# Altium PCB NORA-B1-EVK.PcbDoc (part 2 of 6) (continued)
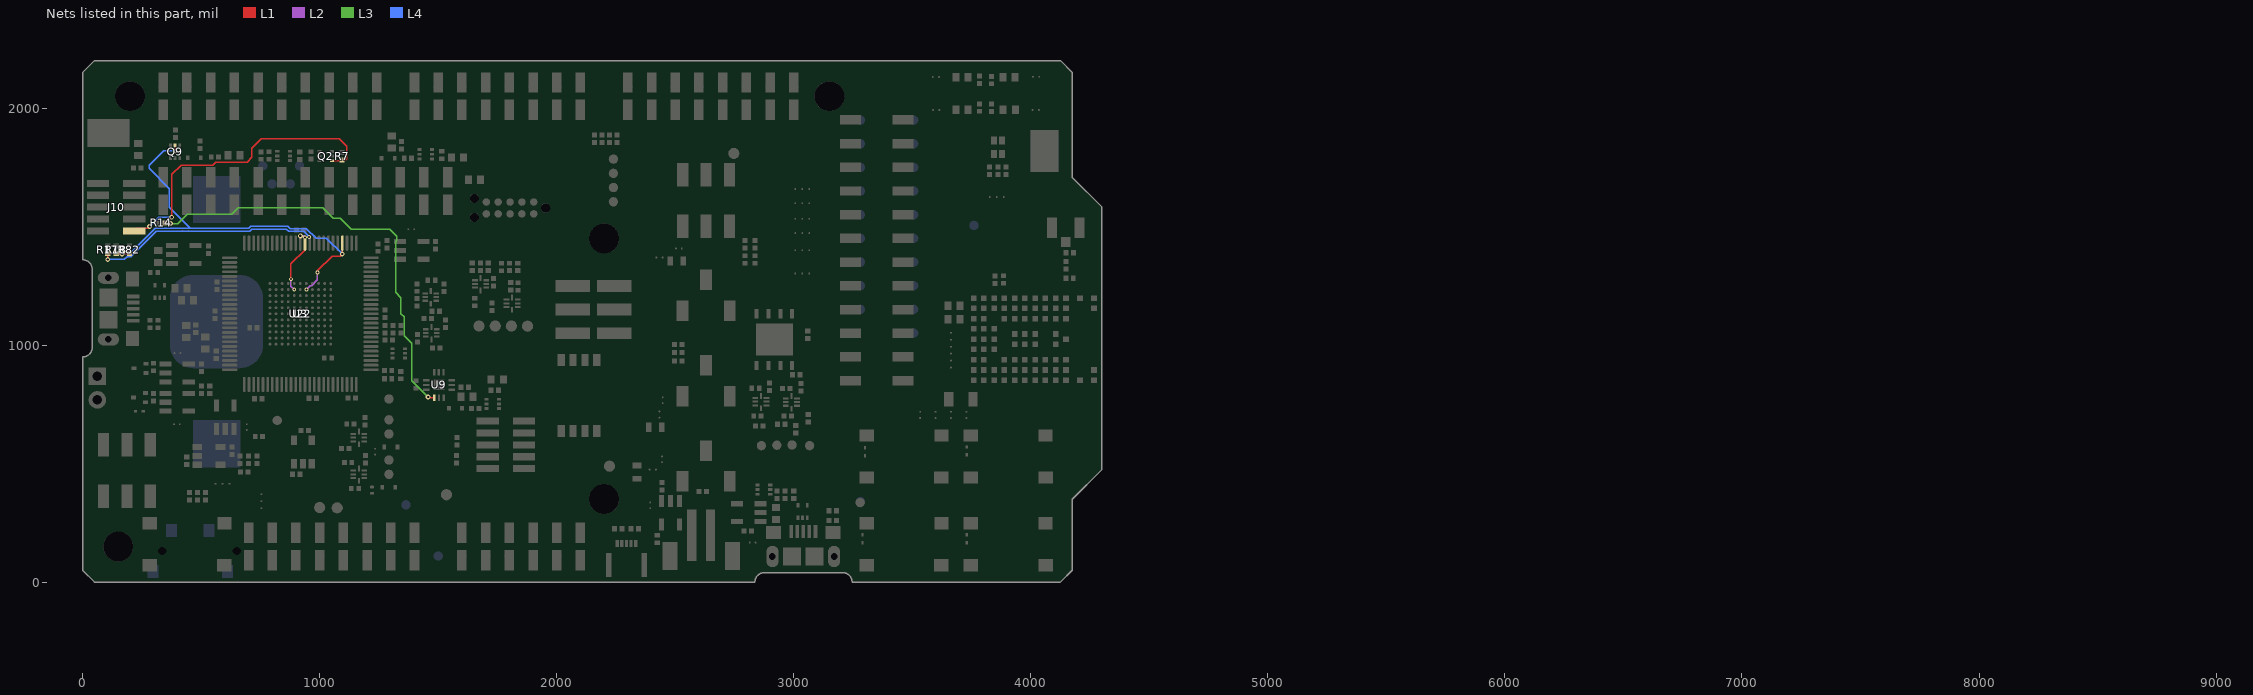
[diagram p4: the nets of this part, all layers, seen from the top]
## Part data (continued)
J17: "1-ROW TH-PCB SOCKETS 100MIL GRID 2-PIN 0.64MM SQUARE POLARIZE", Manufacturer=HARWiN, Manufacturer P/N=M20-9990245, Editor=roland.rust, Env=ROHS, Mfg P/N Released=Yes, Mfg P/N Split=100, Mfg P/N Status=Active, Part Number=UBXH04-0000026, Part Type=Connector, Perferred=PREF, Permitted Use="Internal Use", RefDes=J, Release Data=2015-06-04T16:45:09, Released by=alvaro.nussbaum, UBX Wiki=https://wiki.u-blox.com/bin/view/Operations/PartDetails?index=10937
J26: "CONN 1-ROW SMT 2.0MM GRID 2-PIN VERT 100V 2A", Manufacturer=JST, Manufacturer 2=None, Manufacturer P/N=B2B-PH-SM4-TB, Max Current=2A, Max Operating Temp=85°C, Max Voltage=100V, Min Operating Temp=-30°C, Part Name="Conn, SMT, 0.079\" Pitch, 2 Pin, Vert, Black", Diameter=None, Editor=eric.moog, Env=ROHS, Height=6.5mm, Item Phase="In Production", Manufacturer Part Number 1=B2B-PH-SM4-TB, Manufacturer Part Number 2=None, Mfg P/N Datasheet=https://wiki.u-blox.com/bin/view/Generic/Docs/DocumentSummary?index=35463, Mfg P/N Released=No, Mfg P/N Split=100, Mfg P/N Status=Active, Part Number=UBXH04-0000791, Part Type=Connector, Perferred=N/A, Permitted Use="Support Products", Pins=2, RefDes=J, Revision=0A, Supplier 1=None, Supplier 2=None, Supplier Part Number 1=None, Supplier Part Number 2=None, UBX Code=None, UBX Wiki=https://wiki.u-blox.com/bin/view/Operations/PartDetails?index=38567, Use in new designs=Yes, Voltage=None
J28: "6 -PIN RECEPTACLE BOTTOM OR TOP ENTRY VERT 2.54MM 50V 2.5A", Manufacturer="Amphenol Corporation", Manufacturer P/N=91601-306GLF, Max Current=2.5A, Max Operating Temp=150°C, Max Voltage=50V, Min Operating Temp=-65°C, Editor=eric.moog, Env=ROHS, Mfg P/N Datasheet=https://wiki.u-blox.com/bin/view/Generic/Docs/DocumentSummary?index=38560, Mfg P/N Released=No, Mfg P/N Split=100, Mfg P/N Status=Active, Part Number=UBXH04-0000790, Part Type=Connector, Perferred=N/A, Permitted Use="Support Products", RefDes=J, UBX Wiki=https://wiki.u-blox.com/bin/view/Operations/PartDetails?index=38565
J30: "CONN NON ZIF FPC MOLEX 51281 0.5MM PITCH 5-PIN TOP AND BOTTOM 50V 500mA", Color=White, Manufacturer=molex, Manufacturer 1="KYOCERA AVX", Manufacturer P/N=0512810598, Manufacturer Part Number 1=046284005001846, Max Current=500mA, Max Operating Temp=85°C, Max Voltage=50V, Min Operating Temp=-30°C, Part Name="CON FFC/FPC 0.50mm 5Pos R/A", Component Mounting Type=SMT, Connector Type=FPC, Editor=eric.moog, Env=ROHS, Height=1.3mm, Item_Phase=Preliminary, Keyed=No, Length=4.05mm, Locking=No, Mfg P/N Datasheet=https://wiki.u-blox.com/bin/view/Generic/Docs/DocumentSummary?index=38892, Mfg P/N Released=No, Mfg P/N Split=100, Mfg P/N Status=Active, Part Number=UBXH04-0000800, Part Type=Connector, Part_Type=Connector, Perferred=PREF, Permitted Use="Support Products", Pin Pitch=0.5mm, Pins=5, RefDes=J, Rows=1, UBX Wiki=https://wiki.u-blox.com/bin/view/Operations/PartDetails?index=38893, Use in new designs=Yes, Voltage=50V, Width=4.4mm
JBAT JBD2 JBSB JDB1 JDSB JEXT JHV JLP JMOD JSHD JVDD JVIN: "SOLDERBRIDGE-OPEN", Max Operating Temp=155°C, Min Operating Temp=-55°C, Editor=aneeb.sohail, Env=GREEN, Part Number=UBXH00-0000082, Part Type=Connector, Perferred=PREF, Permitted Use="Volume Products", RefDes=J, UBX Wiki=https://wiki.u-blox.com/bin/view/Operations/PartDetails?index=36361
JMODHT1 JMODT1 TP3 TP4 TP6 TP7 TP16 TP17 TP18 TP20 TP21 TP22 TP23 TP24 TP27 TP32 TP33 TP60 TP61 TP62 TP63 TP64 TP65 TP77 TP86 TPCLK1 TPDIO1 TPRST1 TPSWO1: library part UBXH00-0000096, "TESTPOINT 1MM CIRCULAR", Max Operating Temp=125°C, Min Operating Temp=-55°C, Editor=eric.moog, Env=N/A, Part Number=UBXH00-0000096, Part Type=Testpoint, Perferred=PREF, Permitted Use="Volume Products", RefDes=TP, UBX Wiki=https://wiki.u-blox.com/bin/view/Operations/PartDetails?index=38784
JV-USB1 TP28 TP30 TP31 TP34 TP35 TP36 TP37 TP38 TP39 TP40 TP41 TP42 TP43 TP44 TP45 TP46 TP47 TP48 TP49 TP50 TP51 TP52 TP53 TP54 TP55 TP56 TP57 TP66 TP67 TP68 TP69 TP70 TP71 TP72 TP73 TP74 TP75 TP76 TP78 TP79 TP80 TP81 TP82 TP83 TP84 TP85: library part UBXH00-0000096, "TESTPOINT 1MM CIRCULAR NO SILKSCREEN", Max Operating Temp=125°C, Min Operating Temp=-55°C, Editor=eric.moog, Env=N/A, Part Number=UBXH00-0000096, Part Type=Testpoint, Perferred=PREF, Permitted Use="Volume Products", RefDes=TP, UBX Wiki=https://wiki.u-blox.com/bin/view/Operations/PartDetails?index=38784
LED3 LED4 LED5 LED6 LED7: "LED SMD 0603 GREEN 2.5V 20mA", Color=GRN, Manufacturer=Kingbright, Manufacturer 2="Lite-on Technology Corporation", Manufacturer P/N=APT1608SGC, Manufacturer P/N 2=LTST-C190KGKT, Max Current=20mA, Max Voltage=2.5V, Editor=gianni.falleroni, Env=ROHS, Mfg P/N Datasheet=https://wiki.u-blox.com/bin/view/Generic/Docs/DocumentSummary?index=37527, Mfg P/N Datasheet 2=https://wiki.u-blox.com/bin/view/Generic/Docs/DocumentSummary?index=16220, Mfg P/N Released=Yes, Mfg P/N Released 2=Yes, Mfg P/N Split=50, Mfg P/N Split 2=50, Mfg P/N Status=Active, Mfg P/N Status 2=Active, Part Number=UBXH11-0000001, Part Type=LED, Perferred=N/A, Permitted Use="Support Products", RefDes=DS, Release Data=2022-09-27T14:26:54, Released by=alex.claville, Size=0603, UBX Wiki=https://wiki.u-blox.com/bin/view/Operations/PartDetails?index=7902
Q1 Q2 Q3 Q6 Q7 Q8 Q9: "SMALL SIGNAL COMPLEMENTARY W/ ESD PROTECTION MOSFET SOT-563-6 PACKAGE", Manufacturer="ON Semiconductor", Manufacturer P/N=NTZD3155CT1G, Max Operating Temp=155°C, Min Operating Temp=-55°C, Editor=pierpaolo.arban, Env=ROHS, Mfg P/N Datasheet=https://wiki.u-blox.com/bin/view/Generic/Docs/DocumentSummary?index=9037, Mfg P/N Released=Yes, Mfg P/N Split=100, Mfg P/N Status=Active, Part Number=UBXH20-0000084, Part Type=Transistor, Perferred=PREF, Permitted Use="Support Products", RefDes=Q, Release Data=2023-01-26T11:59:16, Released by=matej.budin, UBX Wiki=https://wiki.u-blox.com/bin/view/Operations/PartDetails?index=37717
Q4 Q5: "P-CHANNEL MOSFET DIODES SOT-523 DMG1013T-7 20V 460mA", Max Current=460mA, Max Operating Temp=155°C, Max Voltage=20V, Min Operating Temp=-55°C, Editor=eric.moog, Env=ROHS, Part Number=UBXH20-0000087, Part Type=Transistor, Perferred=PREF, Permitted Use="Volume Products", RefDes=Q, UBX Wiki=https://wiki.u-blox.com/bin/view/Operations/PartDetails?index=38920
R1 R2 R3 R4 R9 R13 R14 R17 R18 R36: library part UBXH18-0000269, "RES THICK FILM CHIP 0402 499R 1% 100mW", Manufacturer=KOA, Manufacturer P/N=RK73H1ETTP4990F, Max Operating Temp=125°C, Max Power=100mW, Min Operating Temp=-55°C, Tolerance=1%, Editor=pierpaolo.arban, Env=ROHS, Mfg P/N Datasheet=https://wiki.u-blox.com/bin/view/Generic/Docs/DocumentSummary?index=8222, Mfg P/N Released=No, Mfg P/N Split=100, Mfg P/N Status=Active, Part Number=UBXH18-0000269, Part Type=Resistor, Perferred=PREF, Permitted Use="Volume Products", RefDes=R, Size=0402, UBX Wiki=https://wiki.u-blox.com/bin/view/Operations/PartDetails?index=25384
R5 R6 R7 R8 R33 R34 R35 R37 R38 R42 R43 R44 R45 R49 R50 R51 R53 R55 R56 R58 R59 R60 R61 R62: library part UBXH18-0000065, "RES THICK FILM CHIP 0402 10K 1% 63mW", Manufacturer=KOA, Manufacturer P/N=RK73H1ETTP1002F, Max Power=63mW, Tolerance=1%, Editor=erian.bezhani, Env=ROHS, Mfg P/N Datasheet=https://wiki.u-blox.com/bin/view/Generic/Docs/DocumentSummary?index=8222, Mfg P/N Released=Yes, Mfg P/N Split=100, Mfg P/N Status=Active, Part Number=UBXH18-0000065, Part Type=Resistor, Perferred=PREF, Permitted Use="Volume Products", RefDes=R, Release Data=2012-06-08T18:02:21, Released by=massimo.vlacci, Size=0402, UBX Wiki=https://wiki.u-blox.com/bin/view/Operations/PartDetails?index=16837
R10: library part UBXH18-0007056, "RES THICK FILM CHIP 0603 200R 5% 100mW", Max Power=100mW, Tolerance=5%, Editor=andreas.thiel, Env=ROHS, Part Number=UBXH18-0007056, Part Type=Resistor, Perferred=NONPREF, Permitted Use="Volume Products", RefDes=R, Size=0603, UBX Wiki=https://wiki.u-blox.com/bin/view/Operations/PartDetails?index=6682
R11 R12 R64 R65 R67 R68 R70 R71: library part UBXH18-0008033, "RES THICK FILM CHIP 0402 220R 5% 100mW", Manufacturer=ROHM, Manufacturer 2=KOA, Manufacturer 3=YAGEO, Manufacturer P/N=MCR01MZPJ221, Manufacturer P/N 2=RK73B1ETTP221J, Manufacturer P/N 3=2322_705_87221_L, Max Power=100mW, Tolerance=5%, Editor=roland.rust, Env=ROHS, Mfg P/N Released=Yes, Mfg P/N Released 2=Yes, Mfg P/N Released 3=Yes, Mfg P/N Split=100, Mfg P/N Split 2=0, Mfg P/N Split 3=0, Mfg P/N Status=Active, Mfg P/N Status 2=Active, Mfg P/N Status 3=NRND, Part Number=UBXH18-0008033, Part Type=Resistor, Perferred=PREF, Permitted Use="Volume Products", RefDes=R, Release Data=2009-04-24T14:36:39, Released by=roland.rust, Size=0402, UBX Wiki=https://wiki.u-blox.com/bin/view/Operations/PartDetails?index=6914
R15 R16 R22 R23 R46 R48: library part UBXH18-0003002, "RES THICK FILM CHIP 0402 0R 0 100mW", Manufacturer=KOA, Manufacturer 2=YAGEO, Manufacturer P/N=RK73Z1ETTD, Manufacturer P/N 2=2322_705_91001_L, Max Power=100mW, Tolerance=0, Editor=charlotte.biber, Env=ROHS, Mfg P/N Released=Yes, Mfg P/N Released 2=Yes, Mfg P/N Split=100, Mfg P/N Split 2=0, Mfg P/N Status=NRND, Mfg P/N Status 2=NRND, Part Number=UBXH18-0003002, Part Type=Resistor, Perferred=PREF, Permitted Use="Volume Products", RefDes=R, Release Data=2012-06-05T09:49:55, Released by=peter.mueller, Size=0402, UBX Wiki=https://wiki.u-blox.com/bin/view/Operations/PartDetails?index=6611
R19 R30 R40 R47 R81 R82: library part UBXH18-0008121, "RES THICK FILM CHIP 0402 1M0 5% 63mW", Manufacturer=KOA, Manufacturer P/N=RK73B1ETTP105J, Max Operating Temp=125°C, Max Power=63mW, Min Operating Temp=-55°C, Tolerance=5%, Editor=daniel.hurni, Env=ROHS, Mfg P/N Datasheet=https://wiki.u-blox.com/bin/view/Generic/Docs/DocumentSummary?index=4543, Mfg P/N Released=Yes, Mfg P/N Split=100, Mfg P/N Status=Active, Part Number=UBXH18-0008121, Part Type=Resistor, Perferred=PREF, Permitted Use="Volume Products", RefDes=R, Release Data=2009-12-01T17:35:03, Released by=doris.zahnd, Size=0402, UBX Wiki=https://wiki.u-blox.com/bin/view/Operations/PartDetails?index=7052
R20 R21 R25 R29 R31 R32 R63 R66 R69 R72 R73 R74 R75 R76 R77 R78 R79 R80 R83 R84 R85 R86: library part UBXH18-0000005, "RES THICK FILM CHIP 0402 100K 1% 63mW", Manufacturer=KOA, Manufacturer 2=ROHM, Manufacturer P/N=RK73H1ETTP1003F, Manufacturer P/N 2=MCR01MZPF1003, Max Power=63mW, Tolerance=1%, Editor=dario.antonaz, Env=ROHS, Mfg P/N Datasheet=https://wiki.u-blox.com/bin/view/Generic/Docs/DocumentSummary?index=8222, Mfg P/N Datasheet 2=https://wiki.u-blox.com/bin/view/Generic/Docs/DocumentSummary?index=8186, Mfg P/N Released=Yes, Mfg P/N Released 2=Yes, Mfg P/N Split=100, Mfg P/N Split 2=0, Mfg P/N Status=Active, Mfg P/N Status 2=Active, Part Number=UBXH18-0000005, Part Type=Resistor, Perferred=N/A, Permitted Use="Volume Products", RefDes=R, Release Data=2009-11-30T11:05:22, Released by=sandro.sestan, Size=0402, UBX Wiki=https://wiki.u-blox.com/bin/view/Operations/PartDetails?index=8114
R24 R28: library part UBXH18-0007035, "RES THICK FILM CHIP 0603 27R 5% 100mW", Manufacturer=YAGEO, Manufacturer P/N=RC0603JR-0727RL, Max Power=100mW, Tolerance=5%, Editor=martin.frauchiger, Env=ROHS, Mfg P/N Released=Yes, Mfg P/N Split=100, Mfg P/N Status=Active, Part Number=UBXH18-0007035, Part Type=Resistor, Perferred=PREF, Permitted Use="Volume Products", RefDes=R, Release Data=2005-07-14T10:55:51, Released by=martin.frauchiger, Size=0603, UBX Wiki=https://wiki.u-blox.com/bin/view/Operations/PartDetails?index=6657
R26 R27: library part UBXH18-0008011, "RES THICK FILM CHIP 0402 27R 5% 100mW", Manufacturer=KOA, Manufacturer 2=YAGEO, Manufacturer P/N=RK73B1ETTD270J, Manufacturer P/N 2=2322_705_70279_L, Max Power=100mW, Tolerance=5%, Editor=roland.rust, Env=ROHS, Mfg P/N Released=Yes, Mfg P/N Released 2=Yes, Mfg P/N Split=100, Mfg P/N Split 2=0, Mfg P/N Status=NRND, Mfg P/N Status 2=Obsolete, Part Number=UBXH18-0008011, Part Type=Resistor, Perferred=PREF, Permitted Use="Volume Products", RefDes=R, Release Data=2005-07-22T13:59:44, Released by=roland.rust, Size=0402, UBX Wiki=https://wiki.u-blox.com/bin/view/Operations/PartDetails?index=6883
R39: library part UBXH18-0000213, "RES THICK FILM CHIP 0402 4K7 1% 63mW", Manufacturer=KOA, Manufacturer P/N=RK73H1ETTP4701F, Max Power=63mW, Tolerance=1%, Automotive=Yes, Editor=michael.hein, Env=ROHS, Mfg P/N Datasheet=https://wiki.u-blox.com/bin/view/Generic/Docs/DocumentSummary?index=8222, Mfg P/N Released=Yes, Mfg P/N Split=100, Mfg P/N Status=Active, Part Number=UBXH18-0000213, Part Type=Resistor, Perferred=PREF, Permitted Use="Volume Products", RefDes=R, Release Data=2015-10-02T11:47:33, Released by=vasyl.dykyy, Size=0402, UBX Wiki=https://wiki.u-blox.com/bin/view/Operations/PartDetails?index=23300
R41: library part UBXH18-0008113, "RES THICK FILM CHIP 0402 470K 5% 100mW", Manufacturer=KOA, Manufacturer 2=YAGEO, Manufacturer P/N=RK73B1ETTD474J, Manufacturer P/N 2=2322_705_87474_L, Max Power=100mW, Tolerance=5%, Editor=martin.frauchiger, Env=ROHS, Mfg P/N Released=Yes, Mfg P/N Released 2=Yes, Mfg P/N Split=100, Mfg P/N Split 2=0, Mfg P/N Status=NRND, Mfg P/N Status 2=Obsolete, Part Number=UBXH18-0008113, Part Type=Resistor, Perferred=PREF, Permitted Use="Volume Products", RefDes=R, Release Data=2005-08-19T10:42:45, Released by=martin.frauchiger, Size=0402, UBX Wiki=https://wiki.u-blox.com/bin/view/Operations/PartDetails?index=7042
R52: library part UBXH18-0008049, "RES THICK FILM CHIP 0402 1K0 5% 100mW", Manufacturer=YAGEO, Manufacturer 2=KOA, Manufacturer P/N=2322_705_70102_L, Manufacturer P/N 2=RK73B1ETTD102J, Max Power=100mW, Tolerance=5%, Editor=roland.rust, Env=ROHS, Mfg P/N Released=Yes, Mfg P/N Released 2=Yes, Mfg P/N Split=100, Mfg P/N Split 2=0, Mfg P/N Status=Obsolete, Mfg P/N Status 2=NRND, Part Number=UBXH18-0008049, Part Type=Resistor, Perferred=PREF, Permitted Use="Volume Products", RefDes=R, Release Data=2005-07-22T13:59:44, Released by=roland.rust, Size=0402, UBX Wiki=https://wiki.u-blox.com/bin/view/Operations/PartDetails?index=6939
R54: library part UBXH18-0000568, "RES THICK FILM CHIP 0402 8K87 8K87 1% 63mW", Manufacturer=KOA, Manufacturer P/N=RK73H1ETTP8871F, Max Operating Temp=155°C, Max Power=63mW, Min Operating Temp=-55°C, Tolerance=1%, Editor=eric.moog, Env=ROHS, Mfg P/N Datasheet=https://wiki.u-blox.com/bin/view/Generic/Docs/DocumentSummary?index=8222, Mfg P/N Released=No, Mfg P/N Split=100, Mfg P/N Status=Active, Part Number=UBXH18-0000568, Part Type=Resistor, Perferred=PREF, Permitted Use="Volume Products", RefDes=R, Size=0402, UBX Wiki=https://wiki.u-blox.com/bin/view/Operations/PartDetails?index=38916
R57: library part UBXH18-0000569, "RES THICK FILM CHIP 0402 4K22 4K22 1% 63mW", Manufacturer=KOA, Manufacturer P/N=RK73H1ETTP4221F, Max Operating Temp=155°C, Max Power=63mW, Min Operating Temp=-55°C, Tolerance=1%, Editor=eric.moog, Env=ROHS, Mfg P/N Datasheet=https://wiki.u-blox.com/bin/view/Generic/Docs/DocumentSummary?index=8222, Mfg P/N Released=No, Mfg P/N Split=100, Mfg P/N Status=Active, Part Number=UBXH18-0000569, Part Type=Resistor, Perferred=PREF, Permitted Use="Volume Products", RefDes=R, Size=0402, UBX Wiki=https://wiki.u-blox.com/bin/view/Operations/PartDetails?index=38918
RGB1: "LED SMD RGB 0606 COMMON ANODE LITE-ON LTST-C19HE1WT 5V 20mA", Manufacturer="Lite-on Technology Corporation", Manufacturer P/N=LTST-C19HE1WT, Max Current=20mA, Max Operating Temp=70°C, Max Voltage=5V, Min Operating Temp=-15°C, Editor=eric.moog, Env=ROHS, Mfg P/N Datasheet=https://wiki.u-blox.com/bin/view/Generic/Docs/DocumentSummary?index=38664, Mfg P/N Released=No, Mfg P/N Split=100, Mfg P/N Status=Active, Part Number=UBXH11-0000058, Part Type=LED, Perferred=N/A, Permitted Use="Support Products", RefDes=DS, UBX Wiki=https://wiki.u-blox.com/bin/view/Operations/PartDetails?index=38590
RHV RMOD RSHD: library part UBXH18-0000555, "RES THICK FILM CHIP 0603 200PPM/C 0.1W 1 1% 100mW", Manufacturer=Bourns, Manufacturer P/N=CR0603-F/-1R00ELF, Max Operating Temp=155°C, Max Power=100mW, Min Operating Temp=-55°C, Tolerance=1%, Editor=mikhail.sialitski, Env=ROHS, Mfg P/N Datasheet=https://wiki.u-blox.com/bin/view/Generic/Docs/DocumentSummary?index=37926, Mfg P/N Released=Yes, Mfg P/N Split=100, Mfg P/N Status=Active, Part Number=UBXH18-0000555, Part Type=Resistor, Perferred=N/A, Permitted Use="Support Products", RefDes=R, Release Data=2023-02-01T14:11:03, Released by=gianni.falleroni, Size=0603, UBX Wiki=https://wiki.u-blox.com/bin/view/Operations/PartDetails?index=37924
SW1 SW3: "2 WAY ON-ON SUB-MINIATURE SLIDE SWITCH SMD JS SERIES", Manufacturer="C&K Components", Manufacturer P/N=JS202011SCQN, Max Operating Temp=85°C, Min Operating Temp=-40°C, Editor=andre.pick, Env=ROHS, Mfg P/N Datasheet=https://wiki.u-blox.com/bin/view/Generic/Docs/DocumentSummary?index=16625, Mfg P/N Released=Yes, Mfg P/N Split=100, Mfg P/N Status=Active, Part Number=UBXH19-0000050, Part Type=Switch, Perferred=PREF, Permitted Use="Support Products", RefDes=S, Release Data=2022-06-09T16:59:15, Released by=martin.pilik, UBX Wiki=https://wiki.u-blox.com/bin/view/Operations/PartDetails?index=36899
SW2: "DIP SWITCH QUAD SPST SLIDE SMT 24V 25mA", Max Current=25mA, Max Operating Temp=85°C, Max Voltage=24V, Min Operating Temp=-40°C, Editor=eric.moog, Env=ROHS, Part Number=UBXH19-0000055, Part Type=Switch, Perferred=PREF, Permitted Use="Support Products", RefDes=S, UBX Wiki=https://wiki.u-blox.com/bin/view/Operations/PartDetails?index=38926
SW4 SW5 SW6 SW7 SW8: "TACTILE SWITCH SPST SINGLE SMD", Manufacturer=C&K, Manufacturer P/N=PTS645SM43SMTR92LFS, Max Operating Temp=85°C, Min Operating Temp=-40°C, Editor=enric.suchanek, Env=ROHS, Mfg P/N Datasheet=https://wiki.u-blox.com/bin/view/Generic/Docs/DocumentSummary?index=32053, Mfg P/N Released=No, Mfg P/N Split=100, Mfg P/N Status=Active, Part Number=UBXH19-0000035, Part Type=Switch, Perferred=PREF, Permitted Use="Internal Use", RefDes=S, Release Data=2021-08-24T16:41:59, Released by=charlotte.biber, UBX Wiki=https://wiki.u-blox.com/bin/view/Operations/PartDetails?index=32051
SW9: "3-WAY SLIDE SMD SWITCH SP3T", Color=Silver, Current=200mA, Manufacturer="Nidec Copal Electronics", Manufacturer P/N=CL-SB-13B-01T, Max Operating Temp=85°C, Min Operating Temp=-40°C, Part Name="SWITCH SLIDE SP3T 300MA 6V SMD", Supplier Part Number 1=563-1330-2-ND, Voltage=12V, Component Mounting Type=SMT, Editor=evgenii.platonov, Env=ROHS, Height=5.5mm, Item_Phase=Preliminary, Length=12mm, Mfg P/N Datasheet=https://wiki.u-blox.com/bin/view/Generic/Docs/DocumentSummary?index=33528, Mfg P/N Released=No, Mfg P/N Split=100, Mfg P/N Status=Active, Part Number=UBXH19-0000039, Part Type=Switch, Part_Type=Switch, Perferred=PREF, Permitted Use="Support Products", Pins=4, RefDes=S, Supplier 1=Digi-Key, Switch/Button Circuit=SP3T, Switch/Button Function=On-On-On, UBX Wiki=https://wiki.u-blox.com/bin/view/Operations/PartDetails?index=33526, Use in new designs=Yes, Width=3.5mm
TP1 TP2 TP58 TP59: "TESTPOINT 3MMX4.5MM RECTANGULAR NO SILKSCREEN", Max Operating Temp=125°C, Min Operating Temp=-55°C, Editor=eric.moog, Env=N/A, Part Number=UBXH00-0000097, Part Type=Testpoint, Perferred=N/A, Permitted Use="Volume Products", RefDes=TP, UBX Wiki=https://wiki.u-blox.com/bin/view/Operations/PartDetails?index=38793
TP5 TP12 TP13 TP14 TP19 TP25 TP26 TP29: library part UBXH00-0000102, "TESTPOINT 1.2MM CIRCULAR W/ SILKSCREEN", Max Operating Temp=155°C, Min Operating Temp=-55°C, Editor=eric.moog, Env=N/A, Part Number=UBXH00-0000102, Part Type=Testpoint, Perferred=PREF, Permitted Use="Support Products", RefDes=TP, UBX Wiki=https://wiki.u-blox.com/bin/view/Operations/PartDetails?index=38966
TP15: library part UBXH00-0000102, "TESTPOINT 1.2MM CIRCULAR", Max Operating Temp=155°C, Min Operating Temp=-55°C, Editor=eric.moog, Env=N/A, Part Number=UBXH00-0000102, Part Type=Testpoint, Perferred=PREF, Permitted Use="Support Products", RefDes=TP, UBX Wiki=https://wiki.u-blox.com/bin/view/Operations/PartDetails?index=38966
U1 U2 U8 U10 U13 U18 U19: "IDEAL DIODE OR CONTROLLER SOURCE SELECTOR SWITCH P-CHANNEL 1:1 SOT-23-5 5.5V 1A", Current=1.0A, Manufacturer=Maxim, Manufacturer P/N=MAX40203AUK+T, Max Current=1A, Max Voltage=5.5V, MFG Package=SOT-23-5, Part Name="IC IDEAL DIODE LDO 1.2-5.5V 1.0A SOT-23-5", Supplier Part Number 1=175-MAX40203AUK+TTR-ND, Body Size="2.8mm x 2.9mm", Component Mounting Type=SMT, Editor=eric.moog, Env=ROHS, Height=1.25, HelpURL=https://datasheets.maximintegrated.com/en/ds/MAX40203.pdf, Item_Phase=Preliminary, Manufacturer 1=Maxim, Manufacturer Part Number 1=MAX40203AUK+T, Mfg P/N Datasheet=https://wiki.u-blox.com/bin/view/Generic/Docs/DocumentSummary?index=38598, Mfg P/N Released=No, Mfg P/N Split=100, Mfg P/N Status=Active, Package Type=SOT-23-5, Part Number=UBXH12-0000539, Part Type=PMIC, Part_Type="Ideal Diode", Perferred=N/A, Permitted Use="Support Products", Pins=5, RefDes=U, SMT Pitch=0.95mm, Supplier 1=Digi-Key, UBX Wiki=https://wiki.u-blox.com/bin/view/Operations/PartDetails?index=38597, Use in new designs=Yes, Voltage=5.5V
U3: library part UBXH05-0000157, "MICROCONTROLLER IC 32-BIT 100MHZ 128KB (128K X 8) FLASH QFN", Manufacturer=NXP, Max Operating Temp=105°C, Min Operating Temp=-40°C, Part number IPS=00000001366, Supplier Part Number 1=MK22FN128VLL10-ND, Artikkelnr Noca=N.A., ComponentLink1Description=Datasheet, ComponentLink1URL=http://cache.freescale.com/files/microcontrollers/doc/data_sheet/K22P121M100SF9.pdf, ComponentLink2Description="Supplier link", ComponentLink2URL=https://cache.nxp.com/docs/en/package-information/98ASS23308W.pdf, Editor=tobias.naumann, Env=ROHS, Footprint Doc=LQFP-100, LatestRevisionDate=2019-03-01, Manufacturer P/N=MK22FN128VLL10, Manufacturer Part Number=MK22FN128VLL10, Mfg P/N Datasheet=https://wiki.u-blox.com/bin/view/Generic/Docs/DocumentSummary?index=36069, Mfg P/N Released=No, Mfg P/N Split=100, Mfg P/N Status=Active, Part Number=UBXH05-0000157, Part Type="Digital/Mixed Signal ASIC", Perferred=N/A, Permitted Use="Internal Use", Pin Count=100, Published=2018-05-10, Publisher="Nordic Semiconductor", RefDes=U, Release Data=2022-01-03T08:47:21, Released by=thai.nguyen-xuan, Supplier 1=Digi-Key, Supplier 2=Mouser, Supplier Part Number 2=841-MK22FN128VLL10, UBX Wiki=https://wiki.u-blox.com/bin/view/Operations/PartDetails?index=36072
U4 U6 U11 U12 U14 U17 U20 U21: "2-BIT BIDIRECTIONAL TRANSLATING TRANSCEIVER AUTO DIRECTION SENSING OPEN DRAIN XQFN8 5.5V", Manufacturer=NXP, Manufacturer 1="NXP Semiconductors", Manufacturer P/N=NTSX2102GU8, Manufacturer Part Number 1=NTSX2102GU8H, Max Operating Temp=85°C, Max Voltage=5.5V, MFG Package=XFQFN-8, Min Operating Temp=-40°C, Package Type=QFN, Part Name="IC TXRX TRANSLATING 8XQFN", Body Size="1.4mm X 1.2mm", Component Mounting Type=SMT, Editor=eric.moog, Env=ROHS, Height=0.5mm, Logic Type="Level Translator", Mfg P/N Datasheet=https://wiki.u-blox.com/bin/view/Generic/Docs/DocumentSummary?index=38756, Mfg P/N Released=No, Mfg P/N Split=100, Mfg P/N Status=Active, Number of Circuits=1, Part Number=UBXH10-0000106, Part Type=Interface, Part_Type="Digital Logic", Perferred=PREF, Permitted Use="Volume Products", Pins=8, RefDes=U, SMT Pitch=0.4mm, UBX Wiki=https://wiki.u-blox.com/bin/view/Operations/PartDetails?index=38826, Use in new designs=Yes, Voltage=5.5V
U5: "SHORT RANGE BLE AND 802.15.4 MODULE U-BLOX NORA-B106 5.5V 10mA", Manufacturer=u-blox, Manufacturer P/N=NORA-B106-00B-00, Manufacturer Part Number 1=NORA-B106-00B, Max Current=10mA, Max Oper Temp in C=+105, Max Operating Temp=105°C, Max Voltage=5.5V, MFG Package=NORA-82, Min Oper Temp in C=-40, Min Operating Temp=-40°C, Package Type=LGA, Part Name=NORA-B106, RF Frequency=2.4GHZ, Body Size="14.3mm x 10.4mm", Component Mounting Type=SMT, ComponentLink1Description=Datasheet, ComponentLink2Description="Supplier link", Core Architecture="Dual Cortex-M33", Editor=eric.moog, Env=ROHS, Flash Size=1MB, Height=1.8mm, Internal Antenna=Yes, Manufacturer 1=u-blox, Mfg P/N Datasheet=https://wiki.u-blox.com/bin/view/Generic/Docs/DocumentSummary?index=38876, Mfg P/N Released=No, Mfg P/N Split=100, Mfg P/N Status=Active, Part Number=UBXH14-0000700, Part Type=RF, Part_Type=Module, Perferred=PREF, Permitted Use="Support Products", Pins=82, RefDes=A, SMT Pitch=1.1mm, UBX Wiki=https://wiki.u-blox.com/bin/view/Operations/PartDetails?index=38882, Use in new designs=Yes, Voltage=5.5V
U7: "MACRONIX MX25R6435FZNIL0 64MBIT SERIAL QUAD I/O SPI FLASH MEMORY 1.65 - 3.6V 8-WDFN 6X5MM", Manufacturer="Macronix International Co.,Ltd.", Manufacturer P/N=MX25R6435FZNIL0, Max Operating Temp=85°C, Min Operating Temp=-40°C, Editor=eric.moog, Env=ROHS, Mfg P/N Datasheet=https://wiki.u-blox.com/bin/view/Generic/Docs/DocumentSummary?index=38929, Mfg P/N Released=No, Mfg P/N Split=100, Mfg P/N Status=Active, Part Number=UBXH13-0000138, Part Type=Memory, Perferred=PREF, Permitted Use="Support Products", RefDes=U, UBX Wiki=https://wiki.u-blox.com/bin/view/Operations/PartDetails?index=38927
U9: "ANALOG SWITCH SP4T 1 CIRCUIT 2.5OHM 12-QFN (3X3) 5.5V", Manufacturer=Vishay, Manufacturer 1="Vishay Siliconix", Manufacturer P/N=DG2034EDN-T1-GE4, Max Operating Temp=85°C, Max Voltage=5.5V, Min Operating Temp=-40°C, Part number IPS=N.A., Supplier Part Number 1=DG2034EDN-T1-GE4CT-ND, Artikkelnr Noca=N.A., ComponentLink1Description=Datasheet, ComponentLink1URL=http://www.vishay.com/docs/73172/dg2034e.pdf, ComponentLink2Description="Supplier link", Editor=eric.moog, Env=ROHS, Footprint Doc=12-QFN, LatestRevisionDate=2018-05-30, Manufacturer Part Number 1=DG2034EDN-T1-GE4, Mfg P/N Datasheet=https://wiki.u-blox.com/bin/view/Generic/Docs/DocumentSummary?index=38923, Mfg P/N Released=No, Mfg P/N Split=100, Mfg P/N Status=Active, Part Number=UBXH12-0000549, Part Type=Switch, Perferred=PREF, Permitted Use="Support Products", Pin Count=12, Published=2018-05-30, Publisher="Nordic Semiconductor", RefDes=U, Supplier 1=Digi-Key, Supplier 2=Mouser, Supplier Part Number 2=78-DG2034EDN-T1-GE4, UBX Wiki=https://wiki.u-blox.com/bin/view/Operations/PartDetails?index=38924
U15: "LDO REGULATOR ADJ 3.3V 300MA AP2127 SOT-23-5 6V 300mA", Current=300mA, Manufacturer="Diodes Incorporated", Manufacturer P/N=AP2127K-ADJTRG1, Max Operating Temp=85°C, Max Voltage=6V, MFG Package=SOT-23-5, Min Operating Temp=-40°C, Package Type=SOT, Part Name="IC REG LDO ADJ 0.3A SOT23-5", Supplier Part Number 1=AP2127K-ADJTRG1DITR-ND, Body Size="1.7mm x 3.1mm", Component Mounting Type=SMT, Editor=eric.moog, Env=ROHS, Height=1.45mm, Item_Phase=Preliminary, Manufacturer 1="Diodes Incorporated", Manufacturer Part Number 1=AP2127K-ADJTRG1, Max Current=300mA, Mfg P/N Datasheet=https://wiki.u-blox.com/bin/view/Generic/Docs/DocumentSummary?index=38901, Mfg P/N Released=No, Mfg P/N Split=100, Mfg P/N Status=Active, Part Number=UBXH12-0000547, Part Type=Regulator, Part_Type="Power Supply", Perferred=PREF, Permitted Use="Support Products", Pins=5, RefDes=U, Regulator Outputs=1xLDO, SMT Pitch=0.95mm, Supplier 1=Digi-Key, UBX Wiki=https://wiki.u-blox.com/bin/view/Operations/PartDetails?index=38903, Use in new designs=Yes, Voltage=6V
U16: "LDO REGULATOR FIX 3.3V 300MA AP2127 SOT-23-5 6V 300mA", Current=300mA, Manufacturer="Diodes Incorporated", Manufacturer P/N=AP2127K-3.3TRG1, Manufacturer Part Number 1=AP2127K-ADJTRG1, Max Operating Temp=85°C, Max Voltage=6V, MFG Package=SOT-23-5, Min Operating Temp=-40°C, Package Type=SOT, Part Name="IC REG LDO ADJ 0.3A SOT23-5", Supplier Part Number 1=AP2127K-ADJTRG1DITR-ND, Body Size="1.7mm x 3.1mm", Component Mounting Type=SMT, Editor=eric.moog, Env=ROHS, Height=1.45mm, Item_Phase=Preliminary, Manufacturer 1="Diodes Incorporated", Max Current=300mA, Mfg P/N Datasheet=https://wiki.u-blox.com/bin/view/Generic/Docs/DocumentSummary?index=38901, Mfg P/N Released=No, Mfg P/N Split=100, Mfg P/N Status=Active, Part Number=UBXH12-0000546, Part Type=Regulator, Part_Type="Power Supply", Perferred=PREF, Permitted Use="Support Products", Pins=5, RefDes=U, Regulator Outputs=1xLDO, SMT Pitch=0.95mm, Supplier 1=Digi-Key, UBX Wiki=https://wiki.u-blox.com/bin/view/Operations/PartDetails?index=38900, Use in new designs=Yes, Voltage=6V
U22: library part UBXH05-0000174, "MICROCONTROLLER IC 32-BIT 100MHZ 128KB (128K X 8) FLASH BGA_EVK-NORA-B1", Manufacturer=NXP, Max Oper Temp in C=105, Max Operating Temp=105°C, MFG Package=XFBGA-121, Min Oper Temp in C=-40, Min Operating Temp=-40°C, Package Type=XFBGA, Voltage=3.6V, Body Size="8mm x 8mm", Component Mounting Type=SMT, ComponentLink1Description=Datasheet, ComponentLink1URL=http://cache.freescale.com/files/microcontrollers/doc/data_sheet/K22P121M100SF9.pdf, ComponentLink2Description="Supplier link", ComponentLink2URL=https://cache.nxp.com/docs/en/package-information/98ASS23308W.pdf, Core Architecture=Cortex-M4F, Core Bits="32 Bit", Editor=eric.moog, Env=ROHS, Flash Size=128kB, Footprint Doc=XFBGA-121, Item_Phase=Unreleased, Manufacturer P/N=MK22FN128VDC10, Manufacturer Part Number=MK22FN128VDC10, Part Name=MK22FN128VDC10, Part Number=UBXH05-0000174, Part Type="Digital/Mixed Signal ASIC", Part_Type=Microcontroller, Perferred=PREF, Permitted Use="Support Products", Pin Count=121, Pins=100, RAM Size=24kB, RefDes=U, Revision=00, SMT Pitch=0.65mm, UBX Wiki=https://wiki.u-blox.com/bin/view/Operations/PartDetails?index=38965, Use in new designs=Yes
X1: "CRYSTAL CL=6PF 3.2 X 1.5 MM 32.768KHZ 20PPM", Manufacturer=ABRACON, Manufacturer P/N=ABS07-120-32.768KHZ-T, Tolerance=20PPM, Editor=martin.grasse, Env=ROHS, Mfg P/N Datasheet=https://wiki.u-blox.com/bin/view/Generic/Docs/DocumentSummary?index=27621, Mfg P/N Released=No, Mfg P/N Split=100, Mfg P/N Status=NRND, Part Number=UBXH21-0000123, Part Type=Crystal, Perferred=PREF, Permitted Use="Support Products", RefDes=Y, UBX Wiki=https://wiki.u-blox.com/bin/view/Operations/PartDetails?index=27619

## Free pads (board coordinates)
  round 125.98 hole 125.98 unplated: 0(150,150) 0(200,2050) 0(2200,350) 0(2200,1450) 0(3150,2050)

## Via types
v1: diameter 20, hole 10, L1 to L4, 1095 vias
v2: diameter 15.75, hole 7.87, L1 to L2, 114 vias
v3: diameter 20, hole 10, L1 to L4, tented both sides, 105 vias
v4: diameter 15.75, hole 7.87, L3 to L4, 48 vias
v5: diameter 20, hole 10, L2 to L3, 47 vias

## Nets (pads, with @x,y where several pads share a name; then routed paths per layer and width w, separated by ;. In a path a pad name is that pad's centre, name@x,y a point inside that pad or via, vN(x,y) a via of type N, cw(c..) or ccw(c..) an arc to the next point about the centre after c; other vN are vias at no path point)
EXT_SWDCLK: Q9.2 R18.2 R82.2 U3.79 U22.B7 | length 1858.6
  L1 w6: R18.2@141.73,1385.83 164.75,1385.83 v1(166.25,1384.33) 167.75,1385.83 R82.2@197.18,1385.83 ; Q9.2@390.15,1842.52 390.15,1819.18 v3(390.34,1818.99) ; v2(990.53,1306.75) 990.53,1313.17 1052.6,1375.23 1086.31,1375.23 1095.24,1384.17 v1(1095.24,1384.34) ; v1@1095.33,1384.25 1095.4,1384.33 1095.4,1430.25 U3.79@1095.47,1430.33
  L2 w6: v2(943.9,1234.45) 960.83,1251.39 966.94,1251.39 990.53,1274.98 v2(990.53,1306.75)
  L4 w6: v1(166.25,1384.33) 198.3,1384.33 306.55,1492.57 454.28,1492.57 ; v3(390.34,1818.99) 342.61,1818.99 281.5,1757.87 281.5,1745.2 366.14,1660.55 366.14,1581.13 454.49,1492.78 454.72,1493.02 701.01,1493.02 708.99,1501 865.28,1501 875.03,1491.25 944.32,1491.25 984.68,1450.88 1028.7,1450.88 v1(1095.24,1384.34)
EXT_SWDIO: R17.2 U3.87 U22.B5 | length 1255.9
  L1 w5.91: U3.87@937.99,1430.33 937.99,1453.47 938.53,1454 v2(937.99,1454.54)
  L1 w6: v1(106.02,1361.22) R17.2@106.02,1385.83 ; v2(878.57,1278.29) 878.57,1342.3 938.62,1402.36 938.62,1429.7 U3.87@937.99,1430.33
  L2 w6: v2(878.57,1278.29) 878.57,1248.6 v2(892.72,1234.45) ; v5(918.74,1460.63) 933.62,1460.63 938.85,1455.4 v2(937.99,1454.54)
  L3 w6: v5(918.74,1460.63) 921.42,1457.95 930.87,1457.95 934.28,1454.54 953.97,1454.54 v4(955.63,1456.21)
  L4 w6: v1(106.02,1361.22) 176.18,1361.22 187.38,1372.42 203.23,1372.42 310.16,1479.34 704.17,1479.34 713.92,1489.09 859.86,1489.09 869.6,1479.34 932.49,1479.34 v4(955.63,1456.21)
EXT_SWO: R14.2 U9.7 | length 1823.3
  L1 w6: R14.2@347.36,1515.45 349.91,1512.91 v1(370.47,1512.91) ; v1(1457.32,780.96) 1459.41,778.87 U9.7@1483.51,778.87
  L3 w6: v1(370.47,1512.91) 371.9,1511.48 401.33,1511.48 441.45,1551.6 628.78,1551.6 657.4,1580.22 1013.07,1580.22 1058.05,1535.25 1087.38,1535.25 1132.86,1489.77 1294.63,1489.77 1325.99,1458.4 1325.99,1441.34 1319.98,1435.32 1319.98,1223.72 1342.94,1200.76 1342.94,1132.54 1356.94,1118.54 1356.94,1038.73 1387.8,1007.87 1387.8,850.14 1456.98,780.96 v1(1457.32,780.96)
EXT_VTG: J10.1 Q2.4 R7.1 | length 1318.9
  L1 w6: J10.1@218.5,1482 229.61,1493.11 274.99,1493.11 v1(282.39,1500.5) ; v1(375.13,1539.76) 375.13,1719.8 415.02,1759.69 482.53,1759.69 483.51,1758.72 515.26,1758.72 516.23,1759.69 548.96,1759.69 561.45,1772.18 694.23,1772.18 713.87,1791.83 713.87,1831.24 753.7,1871.06 1081.85,1871.06 1114.38,1838.54 1114.38,1785.11 1110.87,1781.59 R7.1@1094.49,1781.59 1090.55,1777.65 Q2.4@1051.86,1777.65
  L4 w6: v1(282.39,1500.5) 288.09,1506.2 321.65,1539.76 v1(375.13,1539.76)